# Altium PCB qfc.PcbDoc (part 9 of 13)
Units mil, origin at the board's own origin, x right, y up, seen from the top; angles counter-clockwise.
Board outline 1990 x 2620 mil, 4 copper layers (Top Layer, Mid-Layer 1, Mid-Layer 2, Bottom Layer); 217 components, 187 nets, 805 pads, 370 vias.
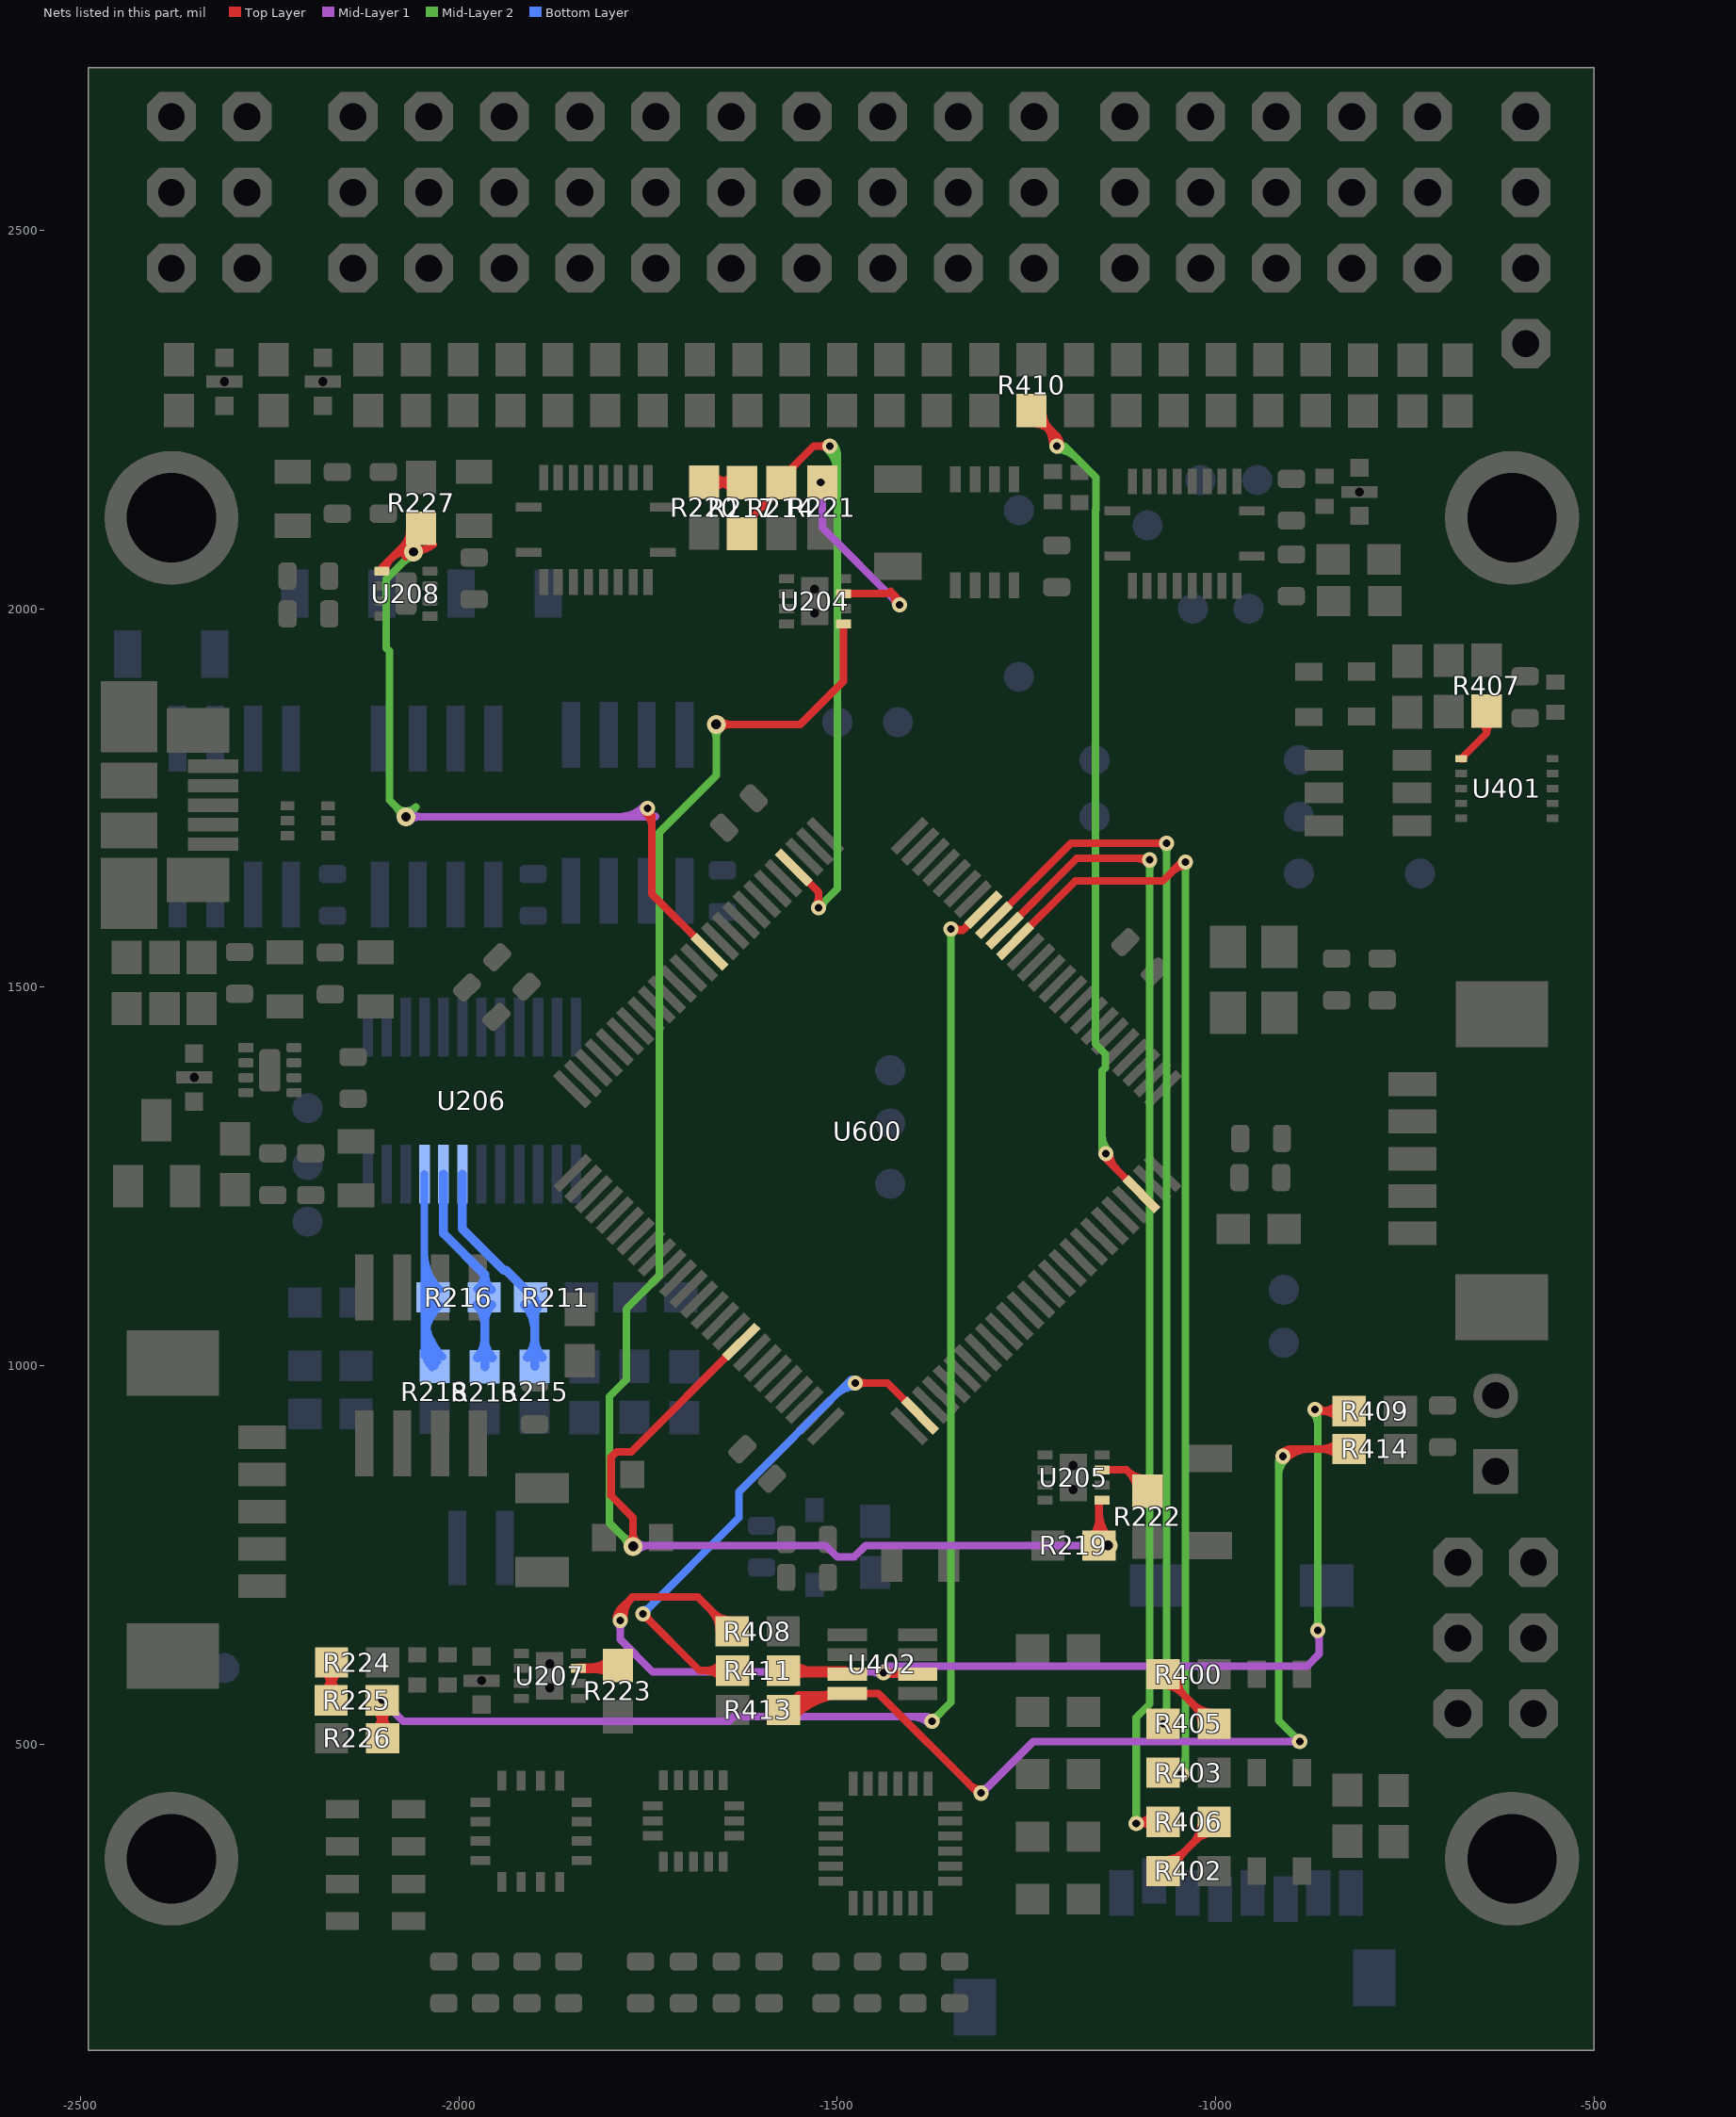
[diagram p11: the nets of this part, all layers, seen from the top]

## Via types
v1: diameter 20, hole 10, Top Layer to Bottom Layer, tented both sides, 256 vias
v2: diameter 22, hole 12, Top Layer to Bottom Layer, tented both sides, 31 vias
v3: diameter 25, hole 15, Top Layer to Bottom Layer, tented both sides, 29 vias
v4: diameter 20, hole 12, Top Layer to Bottom Layer, tented both sides, 17 vias
v5: diameter 30, hole 15, Top Layer to Bottom Layer, tented both sides, 12 vias
v6: diameter 25, hole 12, Top Layer to Bottom Layer, tented both sides, 11 vias
v7: diameter 25, hole 13, Top Layer to Bottom Layer, tented both sides, 5 vias
v8: diameter 40, hole 25, Top Layer to Bottom Layer, tented both sides, 2 vias
v9: diameter 23, hole 13, Top Layer to Bottom Layer, tented both sides, 2 vias
v10: diameter 30, hole 20, Top Layer to Bottom Layer, tented both sides, 2 vias
v11: diameter 20, hole 13, Top Layer to Bottom Layer, tented both sides, 1 vias
v12: diameter 20, hole 15, Top Layer to Bottom Layer, tented both sides, 1 vias
v13: diameter 30, hole 18, Top Layer to Bottom Layer, tented both sides, 1 vias

## Nets (pads, with @x,y where several pads share a name; then routed paths per layer and width w, separated by ;. In a path a pad name is that pad's centre, name@x,y a point inside that pad or via, vN(x,y) a via of type N, cw(c..) or ccw(c..) an arc to the next point about the centre after c; other vN are vias at no path point) (continued)
NetR211_1: R211.1 R215.2 U206.7 | length 720
  Bottom Layer w12: U206.7@-1995.5,1253 -1995.5,1180.5 -1940.95,1125.95 -1938.03,1125.95 -1900,1087.91 R215.2@-1900,999 ; R211.1@-1913.36,1080.05 cw(c-1945.63,1047.78) -1900,1047.78 ; R211.1@-1913.36,1080.05 cw(c-1945.63,1047.78) -1900,1047.78 ; R211.1@-1913.36,1080.05 cw(c-1945.63,1047.78) -1900,1047.78 ; R211.1@-1913.36,1080.05 cw(c-1945.63,1047.78) -1900,1047.78 ; R215.2@-1909.9,1010.9 ccw(c-1933.8,1034.8) -1900,1034.8 ; R215.2@-1909.9,1010.9 ccw(c-1933.8,1034.8) -1900,1034.8 ; R215.2@-1909.9,1010.9 ccw(c-1933.8,1034.8) -1900,1034.8 ; R215.2@-1909.9,1010.9 ccw(c-1933.8,1034.8) -1900,1034.8 ; -1900,1034.8 ccw(c-1866.2,1034.8) R215.2@-1890.1,1010.9 ; -1900,1034.8 ccw(c-1866.2,1034.8) R215.2@-1890.1,1010.9 ; -1900,1034.8 ccw(c-1866.2,1034.8) R215.2@-1890.1,1010.9 ; -1900,1034.8 ccw(c-1866.2,1034.8) R215.2@-1890.1,1010.9 ; -1900,1064.51 cw(c-1878.03,1064.51) R211.1@-1893.57,1080.05 ; -1900,1064.51 cw(c-1878.03,1064.51) R211.1@-1893.57,1080.05 ; -1900,1064.51 cw(c-1878.03,1064.51) R211.1@-1893.57,1080.05 ; -1900,1064.51 cw(c-1878.03,1064.51) R211.1@-1893.57,1080.05
NetR213_1: R213.1 R216.2 U206.8 | length 877
  Bottom Layer w12: U206.8@-2020.5,1253 -2020.5,1174.39 -1966,1119.89 ; R213.1@-1966,998.47 -1966,1119.89 ; R216.2@-1976.56,1080.05 cw(c-2002.05,1054.56) -1966,1054.56 ; R216.2@-1976.56,1080.05 cw(c-2002.05,1054.56) -1966,1054.56 ; R216.2@-1976.56,1080.05 cw(c-2002.05,1054.56) -1966,1054.56 ; R216.2@-1976.56,1080.05 cw(c-2002.05,1054.56) -1966,1054.56 ; R213.1@-1975.9,1010.37 ccw(c-1999.8,1034.27) -1966,1034.27 ; R213.1@-1975.9,1010.37 ccw(c-1999.8,1034.27) -1966,1034.27 ; R213.1@-1975.9,1010.37 ccw(c-1999.8,1034.27) -1966,1034.27 ; R213.1@-1975.9,1010.37 ccw(c-1999.8,1034.27) -1966,1034.27 ; R216.2@-1975.24,1101 ccw(c-1989.9,1119.89) -1966,1119.89 ; R216.2@-1975.24,1101 ccw(c-1989.9,1119.89) -1966,1119.89 ; R216.2@-1975.24,1101 ccw(c-1989.9,1119.89) -1966,1119.89 ; R216.2@-1975.24,1101 ccw(c-1989.9,1119.89) -1966,1119.89 ; -1966,1034.27 ccw(c-1932.2,1034.27) R213.1@-1956.1,1010.37 ; -1966,1034.27 ccw(c-1932.2,1034.27) R213.1@-1956.1,1010.37 ; -1966,1034.27 ccw(c-1932.2,1034.27) R213.1@-1956.1,1010.37 ; -1966,1034.27 ccw(c-1932.2,1034.27) R213.1@-1956.1,1010.37 ; -1966,1057.74 cw(c-1934.45,1057.74) R216.2@-1956.76,1080.05 ; -1966,1057.74 cw(c-1934.45,1057.74) R216.2@-1956.76,1080.05 ; -1966,1057.74 cw(c-1934.45,1057.74) R216.2@-1956.76,1080.05 ; -1966,1057.74 cw(c-1934.45,1057.74) R216.2@-1956.76,1080.05 ; -1966,1119.89 ccw(c-1939.73,1119.89) R216.2@-1957.3,1100.36 ; -1966,1119.89 ccw(c-1939.73,1119.89) R216.2@-1957.3,1100.36 ; -1966,1119.89 ccw(c-1939.73,1119.89) R216.2@-1957.3,1100.36 ; -1966,1119.89 ccw(c-1939.73,1119.89) R216.2@-1957.3,1100.36
NetR214_1: R214.1 R217.2 U600.29 | length 1309.3
  Top Layer w10: R217.2@-1626,2099 -1626,2107.49 -1574,2159.49 R214.1@-1574,2166.46 -1574,2171.97 -1530.97,2215 v1(-1510,2215) ; U600.29@-1557.44,1657.99 -1525,1625.55 v1(-1525,1605) ; v1@-1528.54,1608.54 ccw(c-1537.07,1617.07) -1525,1617.07 ; v1@-1528.54,1608.54 ccw(c-1537.07,1617.07) -1525,1617.07 ; v1@-1528.54,1608.54 ccw(c-1537.07,1617.07) -1525,1617.07 ; v1@-1528.54,1608.54 ccw(c-1537.07,1617.07) -1525,1617.07 ; -1525,1617.07 ccw(c-1512.93,1617.07) v1@-1521.46,1608.54 ; -1525,1617.07 ccw(c-1512.93,1617.07) v1@-1521.46,1608.54 ; -1525,1617.07 ccw(c-1512.93,1617.07) v1@-1521.46,1608.54 ; -1525,1617.07 ccw(c-1512.93,1617.07) v1@-1521.46,1608.54 ; -1522.07,2215 cw(c-1522.07,2202.93) v1@-1513.54,2211.46 ; -1522.07,2215 ccw(c-1522.07,2227.07) v1@-1513.54,2218.54 ; -1522.07,2215 cw(c-1522.07,2202.93) v1@-1513.54,2211.46 ; -1522.07,2215 ccw(c-1522.07,2227.07) v1@-1513.54,2218.54 ; -1522.07,2215 cw(c-1522.07,2202.93) v1@-1513.54,2211.46 ; -1522.07,2215 ccw(c-1522.07,2227.07) v1@-1513.54,2218.54 ; -1522.07,2215 cw(c-1522.07,2202.93) v1@-1513.54,2211.46 ; -1522.07,2215 ccw(c-1522.07,2227.07) v1@-1513.54,2218.54
  Mid-Layer 2 w10: v1(-1525,1605) -1500,1630 -1500,2205 v1(-1510,2215) ; v1@-1525,1610 ccw(c-1525,1622.07) -1516.46,1613.54 ; v1@-1525,1610 ccw(c-1525,1622.07) -1516.46,1613.54 ; v1@-1525,1610 ccw(c-1525,1622.07) -1516.46,1613.54 ; v1@-1525,1610 ccw(c-1525,1622.07) -1516.46,1613.54 ; v1@-1520,1605 cw(c-1507.93,1605) -1516.46,1613.54 ; v1@-1520,1605 cw(c-1507.93,1605) -1516.46,1613.54 ; v1@-1520,1605 cw(c-1507.93,1605) -1516.46,1613.54 ; v1@-1520,1605 cw(c-1507.93,1605) -1516.46,1613.54 ; v1@-1513.54,2211.46 cw(c-1546.21,2178.79) -1500,2178.79 ; v1@-1513.54,2211.46 cw(c-1546.21,2178.79) -1500,2178.79 ; v1@-1513.54,2211.46 cw(c-1546.21,2178.79) -1500,2178.79 ; v1@-1513.54,2211.46 cw(c-1546.21,2178.79) -1500,2178.79 ; v1@-1506.46,2218.54 cw(c-1522.07,2202.93) -1500,2202.93 ; v1@-1506.46,2218.54 cw(c-1522.07,2202.93) -1500,2202.93 ; v1@-1506.46,2218.54 cw(c-1522.07,2202.93) -1500,2202.93 ; v1@-1506.46,2218.54 cw(c-1522.07,2202.93) -1500,2202.93
NetR216_1: R216.1 R218.2 U206.9 | length 1513.4
  Bottom Layer w10: U206.9@-2045.5,1253 -2045.5,1012.5 R218.2@-2032,999 ; -2045.5,1021.53 ccw(c-2011.48,1021.53) R218.2@-2035.53,997.47 ; -2045.5,1021.53 ccw(c-2011.48,1021.53) R218.2@-2035.53,997.47 ; -2045.5,1021.53 ccw(c-2011.48,1021.53) R218.2@-2035.53,997.47 ; -2045.5,1021.53 ccw(c-2011.48,1021.53) R218.2@-2035.53,997.47 ; -2045.5,1031.1 cw(c-1977.28,1031.1) R216.1@-2025.52,1079.34 ; -2045.5,1031.1 cw(c-1977.28,1031.1) R216.1@-2025.52,1079.34 ; -2045.5,1031.1 cw(c-1977.28,1031.1) R216.1@-2025.52,1079.34 ; -2045.5,1031.1 cw(c-1977.28,1031.1) R216.1@-2025.52,1079.34 ; -2045.5,1045.67 ccw(c-1987.33,1045.67) R218.2@-2028.46,1004.54 ; -2045.5,1045.67 ccw(c-1987.33,1045.67) R218.2@-2028.46,1004.54 ; -2045.5,1045.67 ccw(c-1987.33,1045.67) R218.2@-2028.46,1004.54 ; -2045.5,1045.67 ccw(c-1987.33,1045.67) R218.2@-2028.46,1004.54 ; -2045.5,1055.24 cw(c-2001.42,1055.24) R216.1@-2032.59,1086.41 ; -2045.5,1055.24 cw(c-2001.42,1055.24) R216.1@-2032.59,1086.41 ; -2045.5,1055.24 cw(c-2001.42,1055.24) R216.1@-2032.59,1086.41 ; -2045.5,1055.24 cw(c-2001.42,1055.24) R216.1@-2032.59,1086.41 ; -2045.5,1069.81 ccw(c-1963.19,1069.81) R218.2@-2021.39,1011.61 ; -2045.5,1069.81 ccw(c-1963.19,1069.81) R218.2@-2021.39,1011.61 ; -2045.5,1069.81 ccw(c-1963.19,1069.81) R218.2@-2021.39,1011.61 ; -2045.5,1069.81 ccw(c-1963.19,1069.81) R218.2@-2021.39,1011.61 ; -2045.5,1124.65 ccw(c-2001.42,1124.65) R216.1@-2032.59,1093.48 ; -2045.5,1124.65 ccw(c-2001.42,1124.65) R216.1@-2032.59,1093.48 ; -2045.5,1124.65 ccw(c-2001.42,1124.65) R216.1@-2032.59,1093.48 ; -2045.5,1124.65 ccw(c-2001.42,1124.65) R216.1@-2032.59,1093.48 ; -2045.5,1148.79 ccw(c-1977.28,1148.79) R216.1@-2025.52,1100.55 ; -2045.5,1148.79 ccw(c-1977.28,1148.79) R216.1@-2025.52,1100.55 ; -2045.5,1148.79 ccw(c-1977.28,1148.79) R216.1@-2025.52,1100.55 ; -2045.5,1148.79 ccw(c-1977.28,1148.79) R216.1@-2025.52,1100.55
NetR217_1: R217.1 R220.2 | length 505.3
  Top Layer w10: R220.2@-1676,2167 -1626.54,2167 R217.1@-1626,2166.46 ; R220.2@-1665.39,2156.39 cw(c-1639.79,2130.79) R217.1@-1639.79,2167 ; R220.2@-1665.39,2156.39 cw(c-1639.79,2130.79) R217.1@-1639.79,2167 ; R220.2@-1665.39,2156.39 cw(c-1639.79,2130.79) R217.1@-1639.79,2167 ; R220.2@-1665.39,2156.39 cw(c-1639.79,2130.79) R217.1@-1639.79,2167 ; R220.2@-1665.39,2177.61 ccw(c-1639.79,2203.21) R217.1@-1639.79,2167 ; R220.2@-1665.39,2177.61 ccw(c-1639.79,2203.21) R217.1@-1639.79,2167 ; R220.2@-1665.39,2177.61 ccw(c-1639.79,2203.21) R217.1@-1639.79,2167 ; R220.2@-1665.39,2177.61 ccw(c-1639.79,2203.21) R217.1@-1639.79,2167 ; R220.2@-1663.51,2167 cw(c-1663.51,2128.96) R217.1@-1636.61,2155.86 ; R220.2@-1663.51,2167 cw(c-1663.51,2128.96) R217.1@-1636.61,2155.86 ; R220.2@-1663.51,2167 cw(c-1663.51,2128.96) R217.1@-1636.61,2155.86 ; R220.2@-1663.51,2167 cw(c-1663.51,2128.96) R217.1@-1636.61,2155.86 ; R220.2@-1660.92,2167 ccw(c-1660.92,2201.38) R217.1@-1636.61,2177.07 ; R220.2@-1660.92,2167 ccw(c-1660.92,2201.38) R217.1@-1636.61,2177.07 ; R220.2@-1660.92,2167 ccw(c-1660.92,2201.38) R217.1@-1636.61,2177.07 ; R220.2@-1660.92,2167 ccw(c-1660.92,2201.38) R217.1@-1636.61,2177.07
NetR219_2: R219.2 U204.5 U205.5 U600.67 | length 3715.5
  Top Layer w10: v7@-1770,760.14 v7(-1770,761) -1770,798.94 -1799,827.94 -1799,879.05 -1791.97,886.08 -1772.2,886.08 U600.67@-1626.88,1031.4 ; v7(-1660,1847) -1549,1847 -1492,1904 U204.5@-1492,1980 ; U205.5@-1150.19,822.16 -1154.19,818.16 R219.2@-1154.19,762.16 v7(-1142.16,762.16) ; v7@-1775.3,766.3 ccw(c-1788.11,779.11) -1770,779.11 ; v7@-1775.3,766.3 ccw(c-1788.11,779.11) -1770,779.11 ; v7@-1775.3,766.3 ccw(c-1788.11,779.11) -1770,779.11 ; v7@-1775.3,766.3 ccw(c-1788.11,779.11) -1770,779.11 ; -1770,779.11 ccw(c-1751.89,779.11) v7@-1764.7,766.3 ; -1770,779.11 ccw(c-1751.89,779.11) v7@-1764.7,766.3 ; -1770,779.11 ccw(c-1751.89,779.11) v7@-1764.7,766.3 ; -1770,779.11 ccw(c-1751.89,779.11) v7@-1764.7,766.3 ; v7@-1654.7,1841.7 cw(c-1641.89,1828.89) -1641.89,1847 ; v7@-1654.7,1841.7 cw(c-1641.89,1828.89) -1641.89,1847 ; v7@-1654.7,1841.7 cw(c-1641.89,1828.89) -1641.89,1847 ; v7@-1654.7,1841.7 cw(c-1641.89,1828.89) -1641.89,1847 ; v7@-1654.7,1852.3 ccw(c-1641.89,1865.11) -1641.89,1847 ; v7@-1654.7,1852.3 ccw(c-1641.89,1865.11) -1641.89,1847 ; v7@-1654.7,1852.3 ccw(c-1641.89,1865.11) -1641.89,1847 ; v7@-1654.7,1852.3 ccw(c-1641.89,1865.11) -1641.89,1847 ; R219.2@-1164.8,772.76 ccw(c-1190.4,798.37) -1154.19,798.37 ; R219.2@-1164.8,772.76 ccw(c-1190.4,798.37) -1154.19,798.37 ; R219.2@-1164.8,772.76 ccw(c-1190.4,798.37) -1154.19,798.37 ; R219.2@-1164.8,772.76 ccw(c-1190.4,798.37) -1154.19,798.37 ; -1154.19,785.17 ccw(c-1119.14,785.17) R219.2@-1143.92,760.39 ; -1154.19,785.17 ccw(c-1119.14,785.17) R219.2@-1143.92,760.39 ; -1154.19,785.17 ccw(c-1119.14,785.17) R219.2@-1143.92,760.39 ; -1154.19,785.17 ccw(c-1119.14,785.17) R219.2@-1143.92,760.39 ; -1154.19,798.37 ccw(c-1117.98,798.37) R219.2@-1143.58,772.76 ; -1154.19,798.37 ccw(c-1117.98,798.37) R219.2@-1143.58,772.76 ; -1154.19,798.37 ccw(c-1117.98,798.37) R219.2@-1143.58,772.76 ; -1154.19,798.37 ccw(c-1117.98,798.37) R219.2@-1143.58,772.76 ; -1154.19,809.31 ccw(c-1095,809.31) R219.2@-1136.85,767.46 ; -1154.19,809.31 ccw(c-1095,809.31) R219.2@-1136.85,767.46 ; -1154.19,809.31 ccw(c-1095,809.31) R219.2@-1136.85,767.46 ; -1154.19,809.31 ccw(c-1095,809.31) R219.2@-1136.85,767.46
  Mid-Layer 1 w10: v7(-1770,761) -1770,762 -1769.84,762.16 -1515.39,762.16 -1500.15,746.91 -1484.77,746.91 -1484.69,747 -1477.77,747 -1462.61,762.16 v7(-1142.16,762.16) ; v7@-1764.7,755.7 cw(c-1749.1,740.1) -1749.1,762.16 ; v7@-1764.7,755.7 cw(c-1749.1,740.1) -1749.1,762.16 ; v7@-1764.7,755.7 cw(c-1749.1,740.1) -1749.1,762.16 ; v7@-1764.7,755.7 cw(c-1749.1,740.1) -1749.1,762.16 ; v7@-1764.7,766.3 ccw(c-1754.68,776.32) -1754.68,762.16 ; v7@-1764.7,766.3 ccw(c-1754.68,776.32) -1754.68,762.16 ; v7@-1764.7,766.3 ccw(c-1754.68,776.32) -1754.68,762.16 ; v7@-1764.7,766.3 ccw(c-1754.68,776.32) -1754.68,762.16 ; -1160.26,762.16 cw(c-1160.26,744.05) v7@-1147.46,756.85 ; -1160.26,762.16 ccw(c-1160.26,780.26) v7@-1147.46,767.46 ; -1160.26,762.16 cw(c-1160.26,744.05) v7@-1147.46,756.85 ; -1160.26,762.16 ccw(c-1160.26,780.26) v7@-1147.46,767.46 ; -1160.26,762.16 cw(c-1160.26,744.05) v7@-1147.46,756.85 ; -1160.26,762.16 ccw(c-1160.26,780.26) v7@-1147.46,767.46 ; -1160.26,762.16 cw(c-1160.26,744.05) v7@-1147.46,756.85 ; -1160.26,762.16 ccw(c-1160.26,780.26) v7@-1147.46,767.46
  Mid-Layer 2 w10: v7@-1773.11,761 v7(-1770,761) -1801,792 -1801,959 -1779,981 -1779,1074.52 -1735,1118.52 -1735,1704.53 -1660,1779.53 v7(-1660,1847) ; -1782.8,773.8 cw(c-1795.61,761) v7@-1777.5,761 ; -1782.8,773.8 ccw(c-1770,786.61) v7@-1770,768.5 ; -1782.8,773.8 cw(c-1795.61,761) v7@-1777.5,761 ; -1782.8,773.8 ccw(c-1770,786.61) v7@-1770,768.5 ; -1782.8,773.8 cw(c-1795.61,761) v7@-1777.5,761 ; -1782.8,773.8 ccw(c-1770,786.61) v7@-1770,768.5 ; -1782.8,773.8 cw(c-1795.61,761) v7@-1777.5,761 ; -1782.8,773.8 ccw(c-1770,786.61) v7@-1770,768.5 ; v7@-1665.3,1841.7 cw(c-1678.11,1828.89) -1660,1828.89 ; v7@-1665.3,1841.7 cw(c-1678.11,1828.89) -1660,1828.89 ; v7@-1665.3,1841.7 cw(c-1678.11,1828.89) -1660,1828.89 ; v7@-1665.3,1841.7 cw(c-1678.11,1828.89) -1660,1828.89 ; -1660,1828.89 cw(c-1641.89,1828.89) v7@-1654.7,1841.7 ; -1660,1828.89 cw(c-1641.89,1828.89) v7@-1654.7,1841.7 ; -1660,1828.89 cw(c-1641.89,1828.89) v7@-1654.7,1841.7 ; -1660,1828.89 cw(c-1641.89,1828.89) v7@-1654.7,1841.7
NetR221_2: R221.2 U204.7 | length 501.8
  Top Layer w10: U204.7@-1492,2019.84 -1426.84,2019.84 -1418,2011 v1(-1418,2005) ; -1429.84,2022.84 cw(c-1446.43,2006.26) v1@-1423,2005.22 ; -1429.84,2022.84 cw(c-1446.43,2006.26) v1@-1423,2005.22 ; -1429.84,2022.84 cw(c-1446.43,2006.26) v1@-1423,2005.22 ; -1429.84,2022.84 cw(c-1446.43,2006.26) v1@-1423,2005.22
  Mid-Layer 1 w10: v1(-1522,2167) -1520,2165 -1520,2107 v1(-1418,2005) ; v1@-1525.54,2163.46 cw(c-1538.9,2150.1) -1520,2150.1 ; v1@-1525.54,2163.46 cw(c-1538.9,2150.1) -1520,2150.1 ; v1@-1525.54,2163.46 cw(c-1538.9,2150.1) -1520,2150.1 ; v1@-1525.54,2163.46 cw(c-1538.9,2150.1) -1520,2150.1 ; -1426.54,2013.54 cw(c-1435.07,2005) v1@-1423,2005 ; -1426.54,2013.54 ccw(c-1418,2022.07) v1@-1418,2010 ; -1426.54,2013.54 cw(c-1435.07,2005) v1@-1423,2005 ; -1426.54,2013.54 ccw(c-1418,2022.07) v1@-1418,2010 ; -1426.54,2013.54 cw(c-1435.07,2005) v1@-1423,2005 ; -1426.54,2013.54 ccw(c-1418,2022.07) v1@-1418,2010 ; -1426.54,2013.54 cw(c-1435.07,2005) v1@-1423,2005 ; -1426.54,2013.54 ccw(c-1418,2022.07) v1@-1418,2010
NetR222_2: R222.2 U205.7 | length 285.9
  Top Layer w10: U205.7@-1150.19,862 -1118,862 R222.2@-1090,834 ; -1117,861 ccw(c-1092.69,885.31) R222.2@-1090.82,850.98 ; -1117,861 ccw(c-1092.69,885.31) R222.2@-1090.82,850.98 ; -1117,861 ccw(c-1092.69,885.31) R222.2@-1090.82,850.98 ; -1117,861 ccw(c-1092.69,885.31) R222.2@-1090.82,850.98 ; -1114.19,858.19 cw(c-1136.39,836) R222.2@-1105,836 ; -1114.19,858.19 cw(c-1136.39,836) R222.2@-1105,836 ; -1114.19,858.19 cw(c-1136.39,836) R222.2@-1105,836 ; -1114.19,858.19 cw(c-1136.39,836) R222.2@-1105,836
NetR223_1: R223.1 U207.7 | length 258.3
  Top Layer w13: U207.7@-1842,599.84 -1793.62,599.84 R223.1@-1790,603.46 ; -1826.51,599.84 ccw(c-1826.51,637.97) R223.1@-1799.55,611.01 ; -1826.51,599.84 ccw(c-1826.51,637.97) R223.1@-1799.55,611.01 ; -1826.51,599.84 ccw(c-1826.51,637.97) R223.1@-1799.55,611.01 ; -1826.51,599.84 ccw(c-1826.51,637.97) R223.1@-1799.55,611.01 ; -1818.68,599.84 cw(c-1818.68,572.79) R223.1@-1799.55,591.92 ; -1818.68,599.84 cw(c-1818.68,572.79) R223.1@-1799.55,591.92 ; -1818.68,599.84 cw(c-1818.68,572.79) R223.1@-1799.55,591.92 ; -1818.68,599.84 cw(c-1818.68,572.79) R223.1@-1799.55,591.92
NetR224_1: R224.1 R225.2 | length 505.3
  Top Layer w10: R225.2@-2169,557.61 -2169,607.08 R224.1@-2168.46,607.61 ; R225.2@-2179.61,568.22 ccw(c-2205.21,593.83) R224.1@-2169,593.83 ; R225.2@-2179.61,568.22 ccw(c-2205.21,593.83) R224.1@-2169,593.83 ; R225.2@-2179.61,568.22 ccw(c-2205.21,593.83) R224.1@-2169,593.83 ; R225.2@-2179.61,568.22 ccw(c-2205.21,593.83) R224.1@-2169,593.83 ; R224.1@-2179.07,597.01 cw(c-2203.38,572.69) R225.2@-2169,572.69 ; R224.1@-2179.07,597.01 cw(c-2203.38,572.69) R225.2@-2169,572.69 ; R224.1@-2179.07,597.01 cw(c-2203.38,572.69) R225.2@-2169,572.69 ; R224.1@-2179.07,597.01 cw(c-2203.38,572.69) R225.2@-2169,572.69 ; R225.2@-2169,570.11 cw(c-2130.96,570.11) R224.1@-2157.86,597.01 ; R225.2@-2169,570.11 cw(c-2130.96,570.11) R224.1@-2157.86,597.01 ; R225.2@-2169,570.11 cw(c-2130.96,570.11) R224.1@-2157.86,597.01 ; R225.2@-2169,570.11 cw(c-2130.96,570.11) R224.1@-2157.86,597.01 ; R224.1@-2169,593.83 ccw(c-2132.79,593.83) R225.2@-2158.39,568.22 ; R224.1@-2169,593.83 ccw(c-2132.79,593.83) R225.2@-2158.39,568.22 ; R224.1@-2169,593.83 ccw(c-2132.79,593.83) R225.2@-2158.39,568.22 ; R224.1@-2169,593.83 ccw(c-2132.79,593.83) R225.2@-2158.39,568.22
NetR225_1: R225.1 R226.2 U600.18 | length 2821
  Top Layer w10: v1(-2101.54,557.61) -2101,557.08 R226.2@-2101,507.61 ; v1(-1350,1577) -1348,1575 -1334.2,1575 ; U600.18@-1306.89,1602.31 -1334.2,1575 ; R225.1@-2112.14,547.01 cw(c-2139.04,520.11) R226.2@-2101,520.11 ; R225.1@-2112.14,547.01 cw(c-2139.04,520.11) R226.2@-2101,520.11 ; R225.1@-2112.14,547.01 cw(c-2139.04,520.11) R226.2@-2101,520.11 ; R225.1@-2112.14,547.01 cw(c-2139.04,520.11) R226.2@-2101,520.11 ; R226.2@-2111.61,518.22 ccw(c-2137.21,543.83) R225.1@-2101,543.83 ; R226.2@-2111.61,518.22 ccw(c-2137.21,543.83) R225.1@-2101,543.83 ; R226.2@-2111.61,518.22 ccw(c-2137.21,543.83) R225.1@-2101,543.83 ; R226.2@-2111.61,518.22 ccw(c-2137.21,543.83) R225.1@-2101,543.83 ; R225.1@-2105.07,554.08 cw(c-2114.9,544.25) R225.1@-2101,544.25 ; R225.1@-2105.07,554.08 cw(c-2114.9,544.25) R225.1@-2101,544.25 ; R225.1@-2105.07,554.08 cw(c-2114.9,544.25) R225.1@-2101,544.25 ; R225.1@-2105.07,554.08 cw(c-2114.9,544.25) R225.1@-2101,544.25 ; R226.2@-2101,522.69 cw(c-2066.62,522.69) R225.1@-2090.93,547.01 ; R226.2@-2101,522.69 cw(c-2066.62,522.69) R225.1@-2090.93,547.01 ; R226.2@-2101,522.69 cw(c-2066.62,522.69) R225.1@-2090.93,547.01 ; R226.2@-2101,522.69 cw(c-2066.62,522.69) R225.1@-2090.93,547.01 ; R225.1@-2101,543.83 ccw(c-2064.79,543.83) R226.2@-2090.39,518.22 ; R225.1@-2101,543.83 ccw(c-2064.79,543.83) R226.2@-2090.39,518.22 ; R225.1@-2101,543.83 ccw(c-2064.79,543.83) R226.2@-2090.39,518.22 ; R225.1@-2101,543.83 ccw(c-2064.79,543.83) R226.2@-2090.39,518.22 ; R225.1@-2101,546.84 cw(c-2090.76,546.84) R225.1@-2098,554.08 ; R225.1@-2101,546.84 cw(c-2090.76,546.84) R225.1@-2098,554.08 ; R225.1@-2101,546.84 cw(c-2090.76,546.84) R225.1@-2098,554.08 ; R225.1@-2101,546.84 cw(c-2090.76,546.84) R225.1@-2098,554.08 ; v1@-1346.3,1580.36 ccw(c-1334.2,1591.34) -1334.2,1575 ; v1@-1346.3,1580.36 ccw(c-1334.2,1591.34) -1334.2,1575 ; v1@-1346.3,1580.36 ccw(c-1334.2,1591.34) -1334.2,1575 ; v1@-1346.3,1580.36 ccw(c-1334.2,1591.34) -1334.2,1575
  Mid-Layer 1 w10: v1(-2101.54,557.61) -2073.92,530 -1643.11,530 -1637.11,536 -1381,536 v1(-1375,530) ; v1@-2101.54,552.61 cw(c-2101.54,540.54) -2093,549.08 ; v1@-2101.54,552.61 cw(c-2101.54,540.54) -2093,549.08 ; v1@-2101.54,552.61 cw(c-2101.54,540.54) -2093,549.08 ; v1@-2101.54,552.61 cw(c-2101.54,540.54) -2093,549.08 ; v1@-2096.54,557.61 ccw(c-2084.46,557.61) -2093,549.08 ; v1@-2096.54,557.61 ccw(c-2084.46,557.61) -2093,549.08 ; v1@-2096.54,557.61 ccw(c-2084.46,557.61) -2093,549.08 ; v1@-2096.54,557.61 ccw(c-2084.46,557.61) -2093,549.08 ; -1401.56,536 cw(c-1401.56,503.44) v1@-1378.54,526.46 ; -1401.56,536 cw(c-1401.56,503.44) v1@-1378.54,526.46 ; -1401.56,536 cw(c-1401.56,503.44) v1@-1378.54,526.46 ; -1401.56,536 cw(c-1401.56,503.44) v1@-1378.54,526.46
  Mid-Layer 2 w10: v1(-1375,530) -1350,555 v1(-1350,1577) ; v1@-1375,535 ccw(c-1375,547.07) -1366.46,538.54 ; v1@-1375,535 ccw(c-1375,547.07) -1366.46,538.54 ; v1@-1375,535 ccw(c-1375,547.07) -1366.46,538.54 ; v1@-1375,535 ccw(c-1375,547.07) -1366.46,538.54 ; v1@-1370,530 cw(c-1357.93,530) -1366.46,538.54 ; v1@-1370,530 cw(c-1357.93,530) -1366.46,538.54 ; v1@-1370,530 cw(c-1357.93,530) -1366.46,538.54 ; v1@-1370,530 cw(c-1357.93,530) -1366.46,538.54 ; v1@-1353.54,1573.46 cw(c-1362.07,1564.93) -1350,1564.93 ; v1@-1353.54,1573.46 cw(c-1362.07,1564.93) -1350,1564.93 ; v1@-1353.54,1573.46 cw(c-1362.07,1564.93) -1350,1564.93 ; v1@-1353.54,1573.46 cw(c-1362.07,1564.93) -1350,1564.93 ; -1350,1564.93 cw(c-1337.93,1564.93) v1@-1346.46,1573.46 ; -1350,1564.93 cw(c-1337.93,1564.93) v1@-1346.46,1573.46 ; -1350,1564.93 cw(c-1337.93,1564.93) v1@-1346.46,1573.46 ; -1350,1564.93 cw(c-1337.93,1564.93) v1@-1346.46,1573.46